# Altium PCB Kasli-DIOT.PCBDOC (part 15 of 21)
Units mm, origin at the board's own origin, x right, y up, seen from the top; angles counter-clockwise.
Board outline 222.34 x 100 mm, 10 copper layers (TopLayer, Layer 2, Layer 3, Layer 4, Layer 5, Layer 6, Layer 7, layer 8, Layer 9, BottomLayer), stack 1.564 mm thick; 974 components, 908 nets, 4662 pads, 2649 vias.
Unrouted connection lines stored in the file: 17.
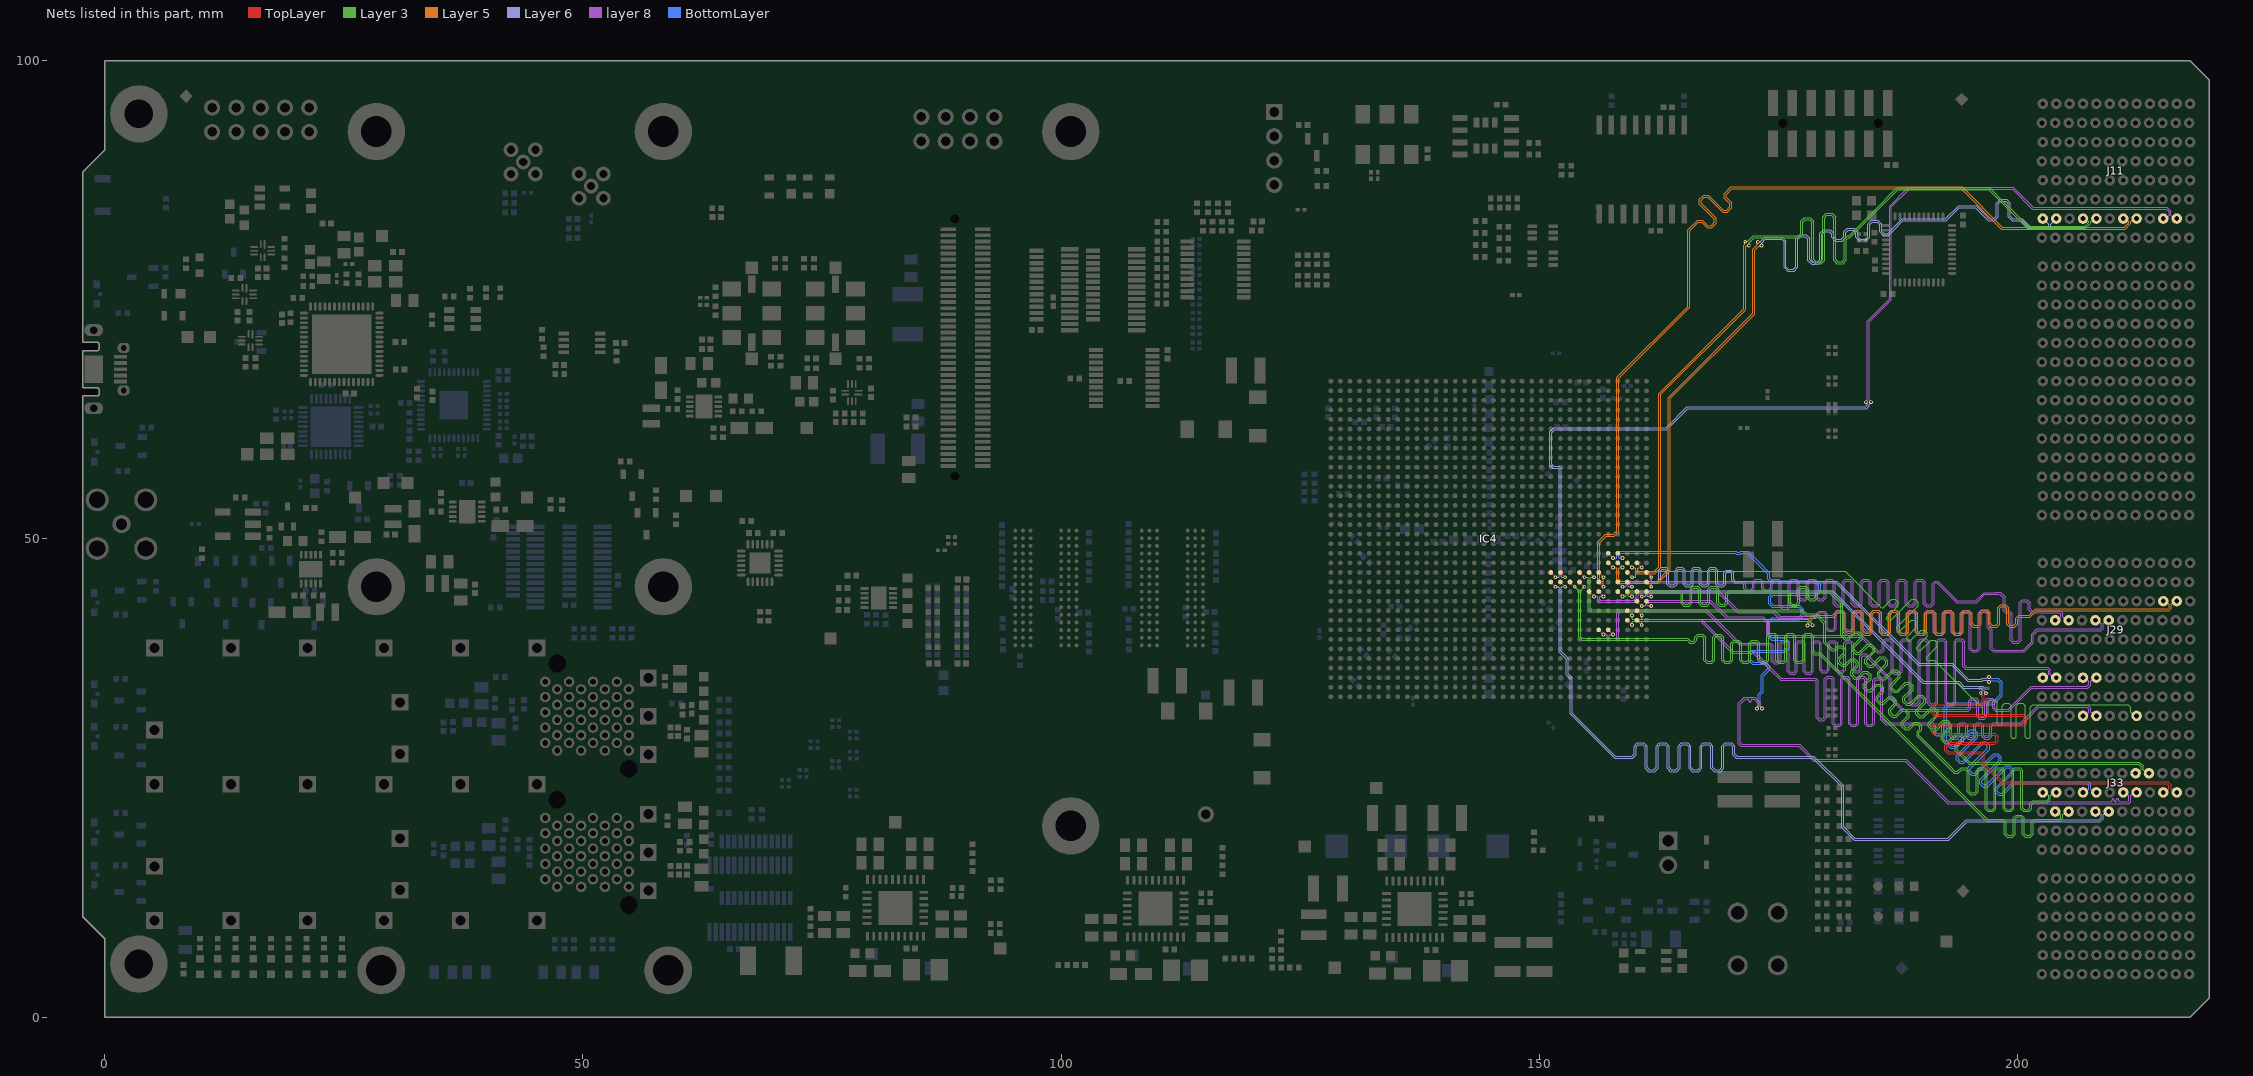
[diagram p23: the nets of this part, all layers, seen from the top]

## Via types
v1: diameter 0.4, hole 0.2, TopLayer to BottomLayer, tented both sides, 1661 vias
v2: diameter 0.5, hole 0.2, TopLayer to BottomLayer, tented both sides, 516 vias
v3: diameter 0.6, hole 0.3, TopLayer to BottomLayer, tented both sides, 175 vias
v4: diameter 0.6, hole 0.3, TopLayer to BottomLayer, 113 vias
v5: diameter 0.5, hole 0.2, TopLayer to BottomLayer, 110 vias
v6: diameter 0.4, hole 0.2, TopLayer to BottomLayer, 67 vias
v7: diameter 0.8, hole 0.5, TopLayer to BottomLayer, tented both sides, 7 vias

## Nets (pads, with @x,y where several pads share a name; then routed paths per layer and width w, separated by ;. In a path a pad name is that pad's centre, name@x,y a point inside that pad or via, vN(x,y) a via of type N, cw(c..) or ccw(c..) an arc to the next point about the centre after c; other vN are vias at no path point) (continued)
SLOT2.LVDS_2_P: IC4.AA32 J33.E8 | length 101.7
  TopLayer w0.095: IC4.AA32@159.2,46.5 v1(159.7,46)
  Layer 3 w0.075: v1(159.7,46) 160.055,46 160.099,46.044 160.099,46.405 160.305,46.611 181.989,46.611 185.717,42.883 185.786,42.814 185.976,42.814 186.868,43.707 187.226,43.707 187.534,43.399 187.534,43.042 186.299,41.807 186.299,41.617 186.489,41.427 186.679,41.427 188.959,43.707 189.316,43.707 189.624,43.399 189.624,43.042 187.344,40.762 187.344,40.572 187.534,40.382 187.724,40.382 188.866,41.524 189.223,41.524 189.531,41.216 189.531,40.859 188.389,39.717 188.389,39.527 188.579,39.337 188.769,39.337 189.911,40.479 190.268,40.479 190.576,40.171 190.576,39.813 189.434,38.672 189.434,38.482 189.624,38.292 189.814,38.292 190.956,39.434 191.313,39.434 191.621,39.126 191.621,38.768 190.479,37.626 190.479,37.437 190.669,37.247 190.859,37.247 190.928,37.315 191.285,37.315 191.362,37.238 191.568,37.032 191.637,36.963 195.47,33.13 195.946,32.654 196.118,32.654 196.37,32.401 196.37,31.739 196.505,31.605 196.773,31.605 196.907,31.739 196.907,32.95 197.16,33.202 197.596,33.202 197.848,32.95 197.848,30.674 197.983,30.539 198.251,30.539 198.385,30.674 198.385,32.577 198.638,32.83 199.074,32.83 199.326,32.577 199.326,29.313 199.461,29.179 199.729,29.179 199.863,29.313 199.863,32.577 200.116,32.83 200.552,32.83 200.804,32.577 200.804,29.313 200.939,29.179 201.207,29.179 201.341,29.313 201.341,32.401 201.594,32.654 201.774,32.654 211.554,32.654 211.84,32.368 211.84,31.861 212.201,31.5 J33.E8@212.439,31.5
SLOT2.LVDS_3_N: IC4.AC29 J29.H5 | length 101.4
  TopLayer w0.095: IC4.AC29@156.2,44.5 v1(156.7,44)
  layer 8 w0.075: v1(156.7,44) 156.345,44 156.301,43.956 156.301,43.685 156.386,43.6 159.891,43.6 160.133,43.843 160.133,44.235 160.501,44.602 168.731,44.602 169.578,43.755 170.283,43.05 170.82,42.513 174.551,42.513 175.063,42 175.137,41.927 178.7,41.927 178.784,41.927 178.797,41.927 178.981,42.111 178.981,42.16 179.284,42.463 179.82,42.463 180.122,42.16 180.122,40.712 180.306,40.528 180.675,40.528 180.859,40.712 180.859,42.248 181.162,42.55 181.698,42.55 182,42.248 182,40.712 182.184,40.528 182.553,40.528 182.737,40.712 182.737,42.248 183.04,42.55 183.576,42.55 183.878,42.248 183.878,40.71 184.062,40.526 184.431,40.526 184.615,40.71 184.615,42.248 184.918,42.55 185.454,42.55 185.756,42.248 185.756,40.336 185.94,40.151 186.309,40.151 186.493,40.336 186.493,42.248 186.796,42.55 187.332,42.55 187.634,42.248 187.634,40.336 187.818,40.151 188.187,40.151 188.371,40.336 188.371,42.248 188.674,42.55 189.21,42.55 189.512,42.248 189.512,40.336 189.696,40.151 190.065,40.151 190.249,40.336 190.249,42.248 190.552,42.55 191.088,42.55 191.39,42.248 191.39,40.336 191.574,40.151 191.943,40.151 192.127,40.336 192.127,42.248 192.43,42.55 192.966,42.55 193.268,42.248 193.268,40.336 193.452,40.151 193.821,40.151 194.005,40.336 194.005,42.248 194.308,42.55 194.844,42.55 195.146,42.248 195.146,38.572 195.33,38.388 195.699,38.388 195.883,38.572 195.883,42.248 196.186,42.55 196.722,42.55 197.024,42.248 197.024,40.784 197.208,40.6 197.327,40.482 197.327,38.63 197.411,38.545 cw(c197.05,37.9) 197.586,38.409 197.608,38.387 200.601,38.387 201.459,39.245 201.459,40.035 202.024,40.6 208.627,40.6 208.738,40.71 208.738,41.139 208.377,41.5 J29.H5@208.139,41.5
SLOT2.LVDS_3_P: IC4.AC28 J29.G5 | length 102
  TopLayer w0.095: IC4.AC28@155.2,44.5 v1(155.7,44)
  layer 8 w0.075: v1(155.7,44) 156.055,44 156.099,43.956 156.099,43.601 156.302,43.398 159.974,43.398 160.336,43.759 160.336,44.151 160.584,44.4 168.647,44.4 169.376,43.671 170.068,42.979 170.736,42.31 174.467,42.31 175.053,41.725 178.7,41.725 178.881,41.725 179.183,42.027 179.183,42.076 179.367,42.26 179.736,42.26 179.92,42.076 179.92,40.629 180.223,40.326 180.759,40.326 181.061,40.629 181.061,42.164 181.245,42.348 181.614,42.348 181.798,42.164 181.798,40.629 182.101,40.326 182.637,40.326 182.939,40.629 182.939,42.164 183.123,42.348 183.492,42.348 183.676,42.164 183.676,40.626 183.979,40.324 184.515,40.324 184.817,40.626 184.817,42.164 185.001,42.348 185.37,42.348 185.554,42.164 185.554,40.252 185.857,39.949 186.393,39.949 186.695,40.252 186.695,42.164 186.879,42.348 187.248,42.348 187.432,42.164 187.432,40.252 187.735,39.949 188.271,39.949 188.573,40.252 188.573,42.164 188.757,42.348 189.126,42.348 189.31,42.164 189.31,40.252 189.613,39.949 190.149,39.949 190.451,40.252 190.451,42.164 190.635,42.348 191.004,42.348 191.188,42.164 191.188,40.252 191.491,39.949 192.027,39.949 192.329,40.252 192.329,42.164 192.513,42.348 192.882,42.348 193.066,42.164 193.066,40.252 193.369,39.949 193.905,39.949 194.207,40.252 194.207,42.164 194.391,42.348 194.76,42.348 194.944,42.164 194.944,38.489 195.247,38.186 195.783,38.186 196.085,38.489 196.085,42.164 196.269,42.348 196.638,42.348 196.822,42.164 196.822,40.701 197.125,40.398 197.125,38.546 197.29,38.381 cw(c197.05,37.9) 197.441,38.268 197.443,38.266 197.525,38.185 200.685,38.185 201.661,39.161 201.661,39.951 202.108,40.398 208.711,40.398 208.94,40.627 208.94,41.139 209.301,41.5 J29.G5@209.539,41.5
SLOT2.LVDS_4_N: IC4.AB32 J29.K5 | length 101.6
  TopLayer w0.095: IC4.AB32@159.2,45.5 v1(159.7,45)
  layer 8 w0.075: v1(159.7,45) 159.345,45 159.301,45.044 159.301,45.26 159.441,45.4 169.48,45.4 171.165,45.4 171.349,45.216 171.349,44.807 171.652,44.504 172.188,44.504 172.49,44.807 172.49,45.39 172.675,45.574 173.043,45.574 173.227,45.39 173.227,44.807 173.53,44.504 174.066,44.504 174.368,44.807 174.368,45.39 174.553,45.574 174.921,45.574 175.105,45.39 175.105,42.975 175.408,42.673 175.944,42.673 176.246,42.975 176.246,45.39 176.431,45.574 176.799,45.574 176.983,45.39 176.983,43.866 177.286,43.563 177.822,43.563 178.124,43.866 178.124,45.39 178.309,45.574 178.677,45.574 178.861,45.39 178.861,43.84 179.164,43.537 179.7,43.537 180.002,43.84 180.002,45.39 180.187,45.574 180.555,45.574 180.739,45.39 180.739,43.228 181.042,42.925 181.578,42.925 181.88,43.228 181.88,45.39 182.065,45.574 182.433,45.574 182.617,45.39 182.617,43.228 182.92,42.925 183.456,42.925 183.758,43.228 183.758,45.39 183.943,45.574 184.311,45.574 184.495,45.39 184.495,43.228 184.798,42.925 185.334,42.925 185.636,43.228 185.636,45.39 185.821,45.574 186.189,45.574 186.373,45.39 186.373,43.228 186.676,42.925 187.212,42.925 187.514,43.228 187.514,45.39 187.699,45.574 188.067,45.574 188.251,45.39 188.251,43.228 188.554,42.925 189.09,42.925 189.392,43.228 189.392,45.39 189.577,45.574 189.945,45.574 190.129,45.39 190.129,43.228 190.432,42.925 190.968,42.925 191.27,43.228 191.27,45.216 191.455,45.4 191.551,45.4 193.628,43.323 195.707,43.323 196.582,44.198 197.831,44.198 ; 197.831,44.204 198.15,44.204 198.498,43.857 198.498,42.519 198.66,42.357 198.719,42.298 198.887,42.298 ; 198.888,42.299 199.048,42.299 199.232,42.115 199.232,39.42 199.535,39.117 200.071,39.117 200.373,39.42 200.373,43.24 200.557,43.424 200.926,43.424 201.11,43.24 201.11,42.602 201.413,42.299 202.007,42.299 ; 202.008,42.3 202.532,42.3 204.365,42.3 204.538,42.127 204.538,41.861 204.177,41.5 J29.K5@203.939,41.5
SLOT2.LVDS_4_P: IC4.AB31 J29.J5 | length 102.3
  TopLayer w0.095: IC4.AB31@158.2,45.5 v1(158.7,45)
  layer 8 w0.075: v1(158.7,45) 159.055,45 159.099,45.044 159.099,45.344 159.357,45.602 169.48,45.602 171.249,45.602 171.551,45.299 171.551,44.891 171.736,44.706 172.104,44.706 172.288,44.891 172.288,45.473 172.591,45.776 173.127,45.776 173.429,45.473 173.429,44.891 173.614,44.706 173.982,44.706 174.166,44.891 174.166,45.473 174.469,45.776 175.005,45.776 175.307,45.473 175.307,43.059 175.492,42.875 175.86,42.875 176.044,43.059 176.044,45.473 176.347,45.776 176.883,45.776 177.185,45.473 177.185,43.95 177.37,43.766 177.738,43.766 177.922,43.95 177.922,45.473 178.225,45.776 178.761,45.776 179.063,45.473 179.063,43.924 179.248,43.74 179.616,43.74 179.8,43.924 179.8,45.473 180.103,45.776 180.639,45.776 180.941,45.473 180.941,43.312 181.126,43.127 181.494,43.127 181.678,43.312 181.678,45.473 181.981,45.776 182.517,45.776 182.819,45.473 182.819,43.312 183.004,43.127 183.372,43.127 183.556,43.312 183.556,45.473 183.859,45.776 184.395,45.776 184.697,45.473 184.697,43.312 184.882,43.127 185.25,43.127 185.434,43.312 185.434,45.473 185.737,45.776 186.273,45.776 186.575,45.473 186.575,43.312 186.76,43.127 187.128,43.127 187.312,43.312 187.312,45.473 187.615,45.776 188.151,45.776 188.453,45.473 188.453,43.312 188.638,43.127 189.006,43.127 189.19,43.312 189.19,45.473 189.493,45.776 190.029,45.776 190.331,45.473 190.331,43.312 190.516,43.127 190.884,43.127 191.068,43.312 191.068,45.299 191.371,45.602 191.551,45.602 191.635,45.602 193.712,43.525 195.623,43.525 196.498,44.4 197.747,44.4 197.754,44.406 198.234,44.406 198.7,43.94 198.7,43.663 198.7,42.603 198.802,42.5 ; 198.805,42.501 199.132,42.501 199.434,42.199 199.434,39.503 199.618,39.319 199.987,39.319 200.171,39.503 200.171,43.323 200.474,43.626 201.01,43.626 201.312,43.323 201.312,42.685 201.496,42.501 201.924,42.501 ; 201.925,42.502 202.532,42.502 204.449,42.502 204.74,42.211 204.74,41.861 205.101,41.5 J29.J5@205.339,41.5
SLOT2.LVDS_5_N: IC4.AB25 J33.H3 | length 101.8
  TopLayer w0.095: IC4.AB25@152.2,45.5 v1(152.7,45)
  Layer 6 w0.08: v1(152.7,45) 152.35,45 152.304,44.953 152.304,38.25 153.034,37.519 153.034,35.903 153.447,35.489 153.447,31.795 157.942,27.3 159.564,27.3 159.665,27.3 159.9,27.535 159.9,28.351 160.257,28.708 160.9,28.708 161.256,28.351 161.256,26.127 161.492,25.892 161.963,25.892 162.198,26.127 162.198,28.351 162.555,28.708 163.198,28.708 163.554,28.351 163.554,26.127 163.79,25.892 164.261,25.892 164.496,26.127 164.496,28.351 164.853,28.708 165.496,28.708 165.852,28.351 165.852,26.127 166.088,25.892 166.559,25.892 166.794,26.127 166.794,28.351 167.151,28.708 167.794,28.708 168.15,28.351 168.15,26.127 168.386,25.892 168.857,25.892 169.092,26.127 169.092,28.351 169.449,28.708 170.092,28.708 170.448,28.351 170.448,27.535 170.684,27.3 171.774,27.3 178.686,27.3 181.8,24.186 181.8,19.9 183,18.7 192.707,18.7 194.633,20.626 208.522,20.626 208.735,20.839 208.735,21.149 208.384,21.5 J33.H3@208.139,21.5
SLOT2.LVDS_5_P: IC4.AB24 J33.G3 | length 102.5
  TopLayer w0.095: IC4.AB24@151.2,45.5 v1(151.7,45)
  Layer 6 w0.08: v1(151.7,45) 152.05,45 152.097,44.953 152.097,38.164 152.827,37.434 152.827,35.817 153.24,35.404 153.24,31.71 157.857,27.093 159.564,27.093 159.751,27.093 160.107,27.45 160.107,28.265 160.343,28.501 160.814,28.501 161.049,28.265 161.049,26.042 161.406,25.685 162.049,25.685 162.405,26.042 162.405,28.265 162.641,28.501 163.112,28.501 163.347,28.265 163.347,26.042 163.704,25.685 164.347,25.685 164.703,26.042 164.703,28.265 164.939,28.501 165.41,28.501 165.645,28.265 165.645,26.042 166.002,25.685 166.645,25.685 167.001,26.042 167.001,28.265 167.237,28.501 167.708,28.501 167.943,28.265 167.943,26.042 168.3,25.685 168.943,25.685 169.299,26.042 169.299,28.265 169.535,28.501 170.006,28.501 170.241,28.265 170.241,27.45 170.598,27.093 171.774,27.093 178.6,27.093 181.593,24.1 181.593,19.814 182.914,18.493 192.793,18.493 194.719,20.419 208.608,20.419 208.942,20.753 208.942,21.149 209.294,21.5 J33.G3@209.539,21.5
SLOT2.LVDS_6_N: IC4.AB27 J33.K3 | length 102
  TopLayer w0.095: IC4.AB27@154.2,45.5 v1(154.7,45)
  Layer 3 w0.075: v1(154.7,45) 154.3,44.6 154.3,39.8 154.4,39.7 154.5,39.6 165.521,39.6 165.63,39.491 165.81,39.311 166.071,39.311 166.255,39.495 166.255,39.72 166.558,40.023 167.094,40.023 167.396,39.72 167.396,37.393 167.58,37.209 167.949,37.209 168.133,37.393 168.133,39.72 168.436,40.023 168.972,40.023 169.274,39.72 169.274,37.393 169.458,37.209 169.827,37.209 170.011,37.393 170.011,39.105 170.314,39.408 170.85,39.408 171.152,39.105 171.152,37.393 171.336,37.209 171.705,37.209 171.889,37.393 171.889,39.11 172.192,39.412 172.728,39.412 173.03,39.11 173.03,37.393 173.214,37.209 173.583,37.209 173.767,37.393 173.767,39.845 174.07,40.148 174.606,40.148 174.908,39.845 174.908,37.393 175.092,37.209 175.461,37.209 175.645,37.393 175.645,39.845 175.948,40.148 176.484,40.148 176.786,39.845 176.786,37.393 176.97,37.209 177.339,37.209 177.523,37.393 177.523,39.845 177.826,40.148 178.362,40.148 178.664,39.845 178.664,38.301 178.848,38.117 179.393,38.117 187.953,29.557 196.37,21.139 196.81,20.7 197.16,20.7 198.522,20.7 198.825,20.397 198.825,19.19 199.009,19.006 199.377,19.006 199.562,19.19 199.562,20.833 199.864,21.136 200.4,21.136 200.703,20.833 200.703,19.19 200.887,19.006 201.255,19.006 201.44,19.19 201.44,20.397 201.742,20.7 203.801,20.7 204.371,20.7 204.538,20.867 204.538,21.139 204.177,21.5 J33.K3@203.939,21.5
SLOT2.LVDS_6_P: IC4.AB26 J33.J3 | length 102.7
  TopLayer w0.095: IC4.AB26@153.2,45.5 v1(153.7,45)
  Layer 3 w0.075: v1(153.7,45) 154.098,44.602 154.098,39.716 154.298,39.516 154.416,39.398 165.438,39.398 165.63,39.206 165.727,39.109 166.155,39.109 166.457,39.412 166.457,39.637 166.641,39.821 167.01,39.821 167.194,39.637 167.194,37.309 167.497,37.007 168.033,37.007 168.335,37.309 168.335,39.637 168.519,39.821 168.888,39.821 169.072,39.637 169.072,37.309 169.375,37.007 169.911,37.007 170.213,37.309 170.213,39.022 170.397,39.206 170.766,39.206 170.95,39.022 170.95,37.309 171.253,37.007 171.789,37.007 172.091,37.309 172.091,39.026 172.275,39.21 172.644,39.21 172.828,39.026 172.828,37.309 173.131,37.007 173.667,37.007 173.969,37.309 173.969,39.762 174.153,39.946 174.522,39.946 174.706,39.762 174.706,37.309 175.009,37.007 175.545,37.007 175.847,37.309 175.847,39.762 176.031,39.946 176.4,39.946 176.584,39.762 176.584,37.309 176.887,37.007 177.423,37.007 177.725,37.309 177.725,39.762 177.909,39.946 178.278,39.946 178.462,39.762 178.462,38.217 178.765,37.915 179.309,37.915 179.393,37.831 187.751,29.473 196.156,21.068 196.726,20.498 197.16,20.498 198.438,20.498 198.623,20.314 198.623,19.106 198.925,18.804 199.461,18.804 199.764,19.106 199.764,20.75 199.948,20.934 200.316,20.934 200.501,20.75 200.501,19.106 200.803,18.804 201.339,18.804 201.642,19.106 201.642,20.314 201.826,20.498 203.801,20.498 204.455,20.498 204.74,20.783 204.74,21.139 205.101,21.5 J33.J3@205.339,21.5
SLOT2.LVDS_7_N: IC4.AC34 J33.C4 | length 109.2
  TopLayer w0.095: IC4.AC34@161.2,44.5 v1(161.7,44) ; v1(196.141,33.87) 196.141,33.831 196.309,33.662 196.309,33.1 196.309,32.838 196.12,32.649 191.321,32.649 191.001,32.33 191.001,31.767 191.321,31.448 200.561,31.448 200.75,31.259 200.75,30.88 200.561,30.691 191.321,30.691 191.001,30.372 191.001,29.809 191.321,29.49 197.541,29.49 197.73,29.301 197.73,28.922 197.541,28.733 192.695,28.733 192.376,28.414 192.376,27.851 192.695,27.532 196.12,27.532 196.309,27.343 196.309,27.23 196.309,26.477 198.386,24.4 215.614,24.4 215.828,24.186 215.828,23.857 215.471,23.5 J33.C4@215.239,23.5
  Layer 6 w0.08: v1(161.7,44) 161.35,44 161.304,44.047 161.304,44.304 161.4,44.4 180.598,44.4 190.105,34.893 193.807,34.893 194.307,34.393 196.262,34.393 196.318,34.337 196.318,34.077 196.141,33.9 v1(196.141,33.87)
SLOT2.LVDS_7_P: IC4.AC33 J33.B4 | length 109.9
  TopLayer w0.095: IC4.AC33@160.2,44.5 v1(160.7,44) ; v1(196.7,33.867) 196.7,33.828 196.531,33.659 196.531,33.1 196.531,32.746 196.212,32.427 191.413,32.427 191.223,32.238 191.223,31.859 191.413,31.67 200.653,31.67 200.972,31.351 200.972,30.788 200.653,30.469 191.413,30.469 191.223,30.28 191.223,29.901 191.413,29.712 197.633,29.712 197.952,29.393 197.952,28.83 197.633,28.511 192.787,28.511 192.598,28.322 192.598,27.943 192.787,27.754 196.212,27.754 196.531,27.435 196.531,27.23 196.531,26.569 198.478,24.622 215.706,24.622 216.05,24.278 216.05,23.857 216.407,23.5 J33.B4@216.639,23.5
  Layer 6 w0.08: v1(160.7,44) 161.05,44 161.097,44.047 161.097,44.389 161.314,44.607 180.684,44.607 190.191,35.1 193.893,35.1 194.393,34.6 196.348,34.6 196.525,34.423 196.525,34.074 196.7,33.899 v1(196.7,33.867)
SLOT2.LVDS_8_N: IC4.W31 J33.F4 | length 108.1
  TopLayer w0.095: IC4.W31@158.2,48.5 v1(158.7,48)
  layer 8 w0.075: v1(172.742,32.264) 172.742,32.307 172.904,32.47 172.904,32.79 172.443,33.251 172.435,33.259 172.244,33.259 ccw(c172.244,33.147) 172.131,33.147 172.131,33.064 cw(c172.019,33.064) 172.019,32.951 cw(c172.019,33.064) 171.906,33.064 171.906,33.147 ccw(c171.794,33.147) 171.794,33.259 171.531,33.259 171.514,33.259 170.979,32.724 170.979,28.678 171.134,28.523 177.207,28.523 178.76,26.969 188.35,26.969 192.135,23.184 192.795,22.525 198.241,22.525 209.589,22.525 209.776,22.525 ccw(c209.776,22.637) 209.889,22.637 209.889,22.721 cw(c210.001,22.721) 210.001,22.833 cw(c210.001,22.721) 210.114,22.721 210.114,22.638 ccw(c210.226,22.638) 210.226,22.525 ccw(c210.226,22.638) 210.339,22.638 210.339,22.721 cw(c210.451,22.721) 210.451,22.833 cw(c210.451,22.721) 210.564,22.721 210.564,22.637 ccw(c210.676,22.637) 210.676,22.525 210.939,22.525 211.55,22.525 211.638,22.613 211.638,23.151 211.288,23.5 J33.F4@211.039,23.5
  BottomLayer w0.095: v1(158.7,48) 158.367,48 158.311,48.056 158.311,48.377 158.438,48.504 170.49,48.504 170.589,48.405 171.061,48.405 171.16,48.504 171.696,48.504 172.7,47.5 173.878,46.322 173.878,46 173.878,45.796 174.272,45.401 178.922,45.401 179.186,45.137 179.186,44.608 178.922,44.344 174.367,44.344 173.972,43.95 173.972,43.238 174.367,42.843 177.099,42.843 177.364,42.579 177.364,42.05 177.099,41.786 174.272,41.786 173.878,41.392 173.878,41.082 173.878,40.033 173.878,39.829 174.272,39.435 175.622,39.435 175.886,39.17 175.886,38.642 175.622,38.378 172.264,38.378 171.87,37.983 171.87,37.271 172.264,36.877 173.614,36.877 173.878,36.612 173.878,36.417 173.689,36.228 173.2,35.739 173.2,34.089 172.894,33.783 172.894,32.472 172.742,32.319 v1(172.742,32.264)
SLOT2.LVDS_8_P: IC4.W30 J33.E4 | length 108.9
  TopLayer w0.095: IC4.W30@157.2,48.5 v1(157.7,48)
  layer 8 w0.075: v1(173.269,32.264) 173.269,32.307 173.106,32.47 173.106,32.873 172.519,33.461 171.43,33.461 170.777,32.808 170.777,28.594 171.05,28.321 177.123,28.321 178.677,26.767 188.267,26.767 191.921,23.113 192.711,22.323 198.158,22.323 198.241,22.323 211.634,22.323 211.84,22.529 211.84,22.949 211.84,23.151 212.189,23.5 J33.E4@212.439,23.5
  BottomLayer w0.095: v1(157.7,48) 158.033,48 158.089,48.056 158.089,48.469 158.346,48.726 170.582,48.726 170.681,48.627 170.969,48.627 171.068,48.726 171.788,48.726 172.922,47.592 174.1,46.414 174.1,46 174.1,45.887 174.364,45.623 179.014,45.623 179.408,45.229 179.408,44.517 179.014,44.122 174.459,44.122 174.195,43.858 174.195,43.329 174.459,43.065 177.191,43.065 177.586,42.671 177.586,41.959 177.191,41.564 174.364,41.564 174.1,41.3 174.1,41.082 174.1,40.033 174.1,39.921 174.364,39.657 175.714,39.657 176.108,39.262 176.108,38.55 175.714,38.156 172.356,38.156 172.092,37.891 172.092,37.363 172.356,37.099 173.706,37.099 174.1,36.704 174.1,36.325 174.003,36.228 173.422,35.647 173.422,33.997 173.116,33.691 173.116,32.472 173.269,32.319 v1(173.269,32.264)
SLOT2.LVDS_9_N: IC4.AB34 J33.I4 | length 110.3
  TopLayer w0.095: IC4.AB34@161.2,45.5 v1(161.7,45)
  Layer 6 w0.08: v1(161.7,45) 161.7,45.35 161.747,45.396 162.223,45.396 162.41,45.396 162.692,45.678 162.692,46.665 162.852,46.825 163.173,46.825 163.334,46.665 163.334,45.269 163.615,44.987 164.108,44.987 164.39,45.269 164.39,46.665 164.55,46.825 164.871,46.825 165.032,46.665 165.032,45.269 165.313,44.987 165.806,44.987 166.088,45.269 166.088,46.665 166.248,46.825 166.569,46.825 166.73,46.665 166.73,45.269 167.011,44.987 167.504,44.987 167.786,45.269 167.786,46.665 167.946,46.825 168.267,46.825 168.428,46.665 168.428,45.269 168.709,44.987 169.202,44.987 169.484,45.269 169.484,46.365 169.644,46.525 169.965,46.525 170.126,46.365 170.126,45.678 170.407,45.396 171.933,45.396 181.011,45.396 189.607,36.8 193.107,36.8 194.781,35.126 196.305,35.126 196.386,35.208 196.793,35.208 196.953,35.048 v1(197,35.048)
  BottomLayer w0.095: v1(197,35.048) 197.083,35.048 197.235,35.2 197.9,35.2 198.1,35 198.178,34.922 198.178,33.689 197.373,32.884 192.764,32.884 192.356,32.476 192.356,28.764 192.867,28.253 193.012,28.108 193.428,28.108 195.137,29.817 195.369,29.817 195.601,29.584 195.601,29.352 193.569,27.32 193.569,26.904 193.931,26.541 194.347,26.541 196.38,28.574 196.612,28.574 196.844,28.341 196.844,28.109 194.812,26.077 194.812,25.661 195.174,25.298 195.591,25.298 197.623,27.33 197.855,27.33 198.087,27.098 198.087,26.866 196.055,24.834 196.055,24.417 196.417,24.055 196.834,24.055 198.866,26.087 199.098,26.087 199.33,25.855 199.33,25.623 197.665,23.958 197.665,23.541 198.028,23.179 198.444,23.179 199.659,24.395 200.069,24.395 207.284,24.395 207.428,24.251 207.428,23.857 207.071,23.5 J33.I4@206.839,23.5
SLOT2.LVDS_9_P: IC4.AA34 J33.H4 | length 110.7
  TopLayer w0.095: IC4.AA34@161.2,46.5 v1(161.7,46)
  Layer 6 w0.08: v1(161.7,46) 161.7,45.65 161.747,45.603 162.223,45.603 162.324,45.603 162.485,45.764 162.485,46.751 162.766,47.032 163.259,47.032 163.541,46.751 163.541,45.354 163.701,45.194 164.022,45.194 164.183,45.354 164.183,46.751 164.464,47.032 164.957,47.032 165.239,46.751 165.239,45.354 165.399,45.194 165.72,45.194 165.881,45.354 165.881,46.751 166.162,47.032 166.655,47.032 166.937,46.751 166.937,45.354 167.097,45.194 167.418,45.194 167.579,45.354 167.579,46.751 167.86,47.032 168.353,47.032 168.635,46.751 168.635,45.354 168.795,45.194 169.116,45.194 169.277,45.354 169.277,46.451 169.558,46.732 170.051,46.732 170.333,46.451 170.333,45.764 170.493,45.603 171.933,45.603 181.097,45.603 189.693,37.007 193.193,37.007 194.867,35.333 196.219,35.333 196.301,35.415 196.793,35.415 196.953,35.575 v1(197,35.575)
  BottomLayer w0.095: v1(197,35.575) 197.083,35.575 197.235,35.422 197.992,35.422 198.4,35.014 198.4,33.597 197.465,32.662 192.856,32.662 192.578,32.384 192.578,28.856 193.024,28.41 193.104,28.33 193.336,28.33 195.045,30.039 195.461,30.039 195.823,29.676 195.823,29.26 193.791,27.228 193.791,26.996 194.023,26.763 194.255,26.763 196.288,28.796 196.704,28.796 197.066,28.433 197.066,28.017 195.034,25.985 195.034,25.752 195.266,25.52 195.499,25.52 197.531,27.552 197.947,27.552 198.309,27.19 198.309,26.774 196.277,24.742 196.277,24.509 196.509,24.277 196.742,24.277 198.774,26.309 199.19,26.309 199.552,25.947 199.552,25.531 197.887,23.866 197.887,23.633 198.12,23.401 198.352,23.401 199.567,24.617 200.291,24.617 207.376,24.617 207.65,24.343 207.65,23.857 208.007,23.5 J33.H4@208.239,23.5
SLOT2.LVDS_10_N: IC4.AA28 J33.L4 | length 101.4
  TopLayer w0.095: IC4.AA28@155.2,46.5 v1(155.7,46)
  Layer 3 w0.075: v1(155.7,46) 155.345,46 155.301,45.956 155.301,45 155.3,44.999 155.3,42.8 155.498,42.602 177.547,42.602 177.971,42.178 179.018,42.178 179.951,41.245 179.951,39.216 180.584,38.583 180.652,38.515 180.913,38.515 181.211,38.812 181.639,38.812 182.018,38.433 182.018,38.006 181.419,37.407 181.419,37.146 181.68,36.886 181.94,36.886 182.539,37.484 182.967,37.484 183.346,37.106 183.346,36.678 182.747,36.079 182.747,35.818 183.007,35.558 183.268,35.558 183.867,36.156 184.295,36.156 184.674,35.778 184.674,35.35 184.075,34.751 184.075,34.49 184.335,34.23 184.596,34.23 185.195,34.829 185.623,34.829 186.001,34.45 186.001,34.022 185.403,33.423 185.403,33.163 185.663,32.902 185.924,32.902 186.523,33.501 186.951,33.501 187.329,33.122 187.329,32.694 186.731,32.095 186.731,31.835 186.991,31.574 187.252,31.574 187.851,32.173 188.278,32.173 188.657,31.794 188.657,31.366 188.059,30.767 188.059,30.507 188.319,30.246 188.58,30.246 189.178,30.845 189.606,30.845 189.985,30.466 189.985,30.038 189.687,29.74 189.687,29.48 189.726,29.441 189.794,29.373 193.158,26.009 193.241,25.926 193.453,25.714 193.713,25.714 194.085,26.086 194.621,26.086 194.924,25.784 194.924,23.645 195.108,23.461 195.477,23.461 195.661,23.645 195.661,25.78 195.963,26.082 196.499,26.082 196.802,25.78 196.802,21.894 196.986,21.71 197.355,21.71 197.539,21.894 197.539,25.78 197.841,26.082 198.377,26.082 198.68,25.78 198.68,21.894 198.864,21.71 199.233,21.71 199.417,21.894 199.417,25.78 199.719,26.082 200.255,26.082 200.558,25.78 200.558,21.894 200.742,21.71 201.111,21.71 201.295,21.894 201.295,22.315 201.597,22.618 202.403,22.618 203.044,22.618 203.238,22.812 203.238,23.139 202.877,23.5 J33.L4@202.639,23.5
SLOT2.LVDS_10_P: IC4.AA27 J33.K4 | length 102
  TopLayer w0.095: IC4.AA27@154.2,46.5 v1(154.7,46)
  Layer 3 w0.075: v1(154.7,46) 155.055,46 155.099,45.956 155.099,45.083 155.098,45.082 155.098,42.716 155.414,42.4 177.463,42.4 177.887,41.976 178.934,41.976 179.749,41.161 179.749,39.132 180.441,38.44 180.51,38.372 180.569,38.313 180.997,38.313 181.294,38.61 181.555,38.61 181.816,38.35 181.816,38.089 181.217,37.491 181.217,37.063 181.596,36.684 182.024,36.684 182.622,37.282 182.883,37.282 183.144,37.022 183.144,36.761 182.545,36.163 182.545,35.735 182.924,35.356 183.352,35.356 183.95,35.954 184.211,35.954 184.472,35.694 184.472,35.433 183.873,34.835 183.873,34.407 184.252,34.028 184.68,34.028 185.278,34.627 185.539,34.627 185.799,34.366 185.799,34.105 185.201,33.507 185.201,33.079 185.58,32.7 186.008,32.7 186.606,33.299 186.867,33.299 187.127,33.038 187.127,32.777 186.529,32.179 186.529,31.751 186.908,31.372 187.336,31.372 187.934,31.971 188.195,31.971 188.455,31.71 188.455,31.45 187.857,30.851 187.857,30.423 188.236,30.044 188.664,30.044 189.262,30.643 189.523,30.643 189.783,30.382 189.783,30.122 189.485,29.824 189.485,29.396 189.583,29.298 189.651,29.23 193.158,25.724 193.369,25.512 193.797,25.512 194.169,25.884 194.538,25.884 194.722,25.7 194.722,23.561 195.024,23.259 195.56,23.259 195.863,23.561 195.863,25.696 196.047,25.88 196.416,25.88 196.6,25.696 196.6,21.81 196.902,21.508 197.438,21.508 197.741,21.81 197.741,25.696 197.925,25.88 198.294,25.88 198.478,25.696 198.478,21.81 198.78,21.508 199.316,21.508 199.619,21.81 199.619,25.696 199.803,25.88 200.172,25.88 200.356,25.696 200.356,21.81 200.658,21.508 201.194,21.508 201.497,21.81 201.497,22.231 201.681,22.415 202.403,22.415 203.127,22.415 203.44,22.728 203.44,23.139 203.801,23.5 J33.K4@204.039,23.5
SLOT2.LVDS_11_N: IC4.AA25 J11.C2 | length 105.1
  TopLayer w0.095: IC4.AA25@152.2,46.5 v1(152.7,46)
  Layer 6 w0.08: v1(152.7,46) 152.35,46 152.304,46.047 152.304,57.389 152.086,57.607 151.5,57.607 151.3,57.807 151.3,61.119 151.581,61.4 163.325,61.4 165.518,63.593 184.231,63.593 184.507,63.869 184.507,64.093 184.667,64.253 v1(184.667,64.3)
  layer 8 w0.075: v1(184.667,64.3) 184.667,64.344 184.505,64.506 184.505,72.699 186.814,75.009 186.814,84.714 188.651,86.551 199.471,86.551 201.532,84.49 215.535,84.49 215.838,84.187 215.838,83.849 215.488,83.5 J11.C2@215.239,83.5
SLOT2.LVDS_11_P: IC4.AA24 J11.B2 | length 105.8
  TopLayer w0.095: IC4.AA24@151.2,46.5 v1(151.7,46)
  Layer 6 w0.08: v1(151.7,46) 152.05,46 152.097,46.047 152.097,57.303 152,57.4 151.414,57.4 151.093,57.721 151.093,61.205 151.495,61.607 163.239,61.607 165.432,63.8 184.145,63.8 184.3,63.955 184.3,64.093 184.14,64.253 v1(184.14,64.3)
  layer 8 w0.075: v1(184.14,64.3) 184.14,64.344 184.303,64.506 184.303,72.783 186.612,75.092 186.612,84.797 188.568,86.753 199.554,86.753 201.616,84.692 215.619,84.692 216.04,84.271 216.04,83.849 216.389,83.5 J11.B2@216.639,83.5
SLOT2.LVDS_12_N: IC4.AB29 J11.F2 | length 100.7
  TopLayer w0.095: IC4.AB29@156.2,45.5 v1(156.7,45)
  Layer 5 w0.08: v1(156.7,45) 156.7,45.35 156.653,45.396 156.289,45.396 156.093,45.593 156.093,49.693 156.907,50.507 157.726,50.507 158.093,50.874 158.093,66.893 165.493,74.293 165.493,82.286 165.528,82.32 166.544,83.337 167.049,83.337 167.625,82.76 167.958,82.76 168.291,83.093 168.291,83.426 166.719,84.998 166.719,85.503 167.173,85.957 167.678,85.957 169.25,84.385 169.583,84.385 169.916,84.718 169.916,85.051 169.34,85.628 169.34,86.132 169.471,86.264 170.014,86.807 194.193,86.807 198.4,82.6 211.153,82.6 211.635,83.083 211.635,83.149 211.284,83.5 J11.F2@211.039,83.5
SLOT2.LVDS_12_P: IC4.AA29 J11.E2 | length 100.3
  TopLayer w0.095: IC4.AA29@156.2,46.5 v1(156.7,46)
  Layer 5 w0.08: v1(156.7,46) 156.7,45.65 156.653,45.603 156.375,45.603 156.3,45.679 156.3,49.607 156.993,50.3 157.812,50.3 158.3,50.788 158.3,66.807 165.7,74.207 165.7,82.148 165.7,82.2 166.63,83.13 166.963,83.13 167.54,82.553 168.044,82.553 168.498,83.007 168.498,83.512 166.926,85.084 166.926,85.417 167.259,85.75 167.592,85.75 169.165,84.178 169.669,84.178 170.123,84.632 170.123,85.137 169.547,85.714 169.547,86.047 169.618,86.118 170.1,86.6 194.107,86.6 198.314,82.393 211.238,82.393 211.842,82.997 211.842,83.149 212.193,83.5 J11.E2@212.439,83.5
SLOT2.LVDS_13_N: IC4.Y33 J11.I2 | length 99.9
  TopLayer w0.095: IC4.Y33@160.2,47.5 v1(160.7,47)
  Layer 3 w0.075: v1(171.527,81.073) 171.558,81.104 171.788,81.104 172.385,81.7 177.012,81.7 177.109,81.7 177.343,81.934 177.343,83.21 177.696,83.562 178.332,83.562 178.684,83.21 178.684,79.226 178.919,78.992 179.387,78.992 179.621,79.226 179.621,83.693 179.974,84.045 180.61,84.045 180.962,83.693 180.962,79.226 181.197,78.992 181.665,78.992 181.899,79.226 181.899,81.347 182.252,81.7 182.378,81.7 184.891,84.213 187.389,86.71 197.09,86.71 198.57,85.23 199.7,84.1 201.1,82.7 207.049,82.7 207.438,83.089 207.438,83.151 207.088,83.5 J11.I2@206.839,83.5
  Layer 5 w0.08: v1(160.7,47) 160.35,47 160.304,46.953 160.304,46.716 160.446,46.574 161.974,46.574 162.493,47.093 162.493,65.193 171.373,74.073 171.373,80.692 171.494,80.813 171.494,81.04 v1(171.527,81.073)
SLOT2.LVDS_13_P: IC4.Y32 J11.H2 | length 100.6
  TopLayer w0.095: IC4.Y32@159.2,47.5 v1(159.7,47)
  Layer 3 w0.075: v1(171.9,80.7) 171.931,80.731 171.931,80.961 172.468,81.498 177.012,81.498 177.193,81.498 177.545,81.851 177.545,83.126 177.78,83.36 178.248,83.36 178.482,83.126 178.482,79.143 178.835,78.79 179.471,78.79 179.823,79.143 179.823,83.609 180.058,83.843 180.526,83.843 180.76,83.609 180.76,79.143 181.113,78.79 181.749,78.79 182.101,79.143 182.101,81.264 182.336,81.498 182.462,81.498 184.891,83.927 187.472,86.508 197.006,86.508 198.368,85.146 199.486,84.029 201.016,82.498 207.133,82.498 207.64,83.005 207.64,83.151 207.989,83.5 J11.H2@208.239,83.5
  Layer 5 w0.08: v1(159.7,47) 160.05,47 160.097,46.953 160.097,46.63 160.36,46.367 162.06,46.367 162.7,47.007 162.7,65.107 171.58,73.987 171.58,80.606 171.641,80.667 171.867,80.667 v1(171.9,80.7)
SLOT2.LVDS_14_N: IC4.Y31 J11.L2 | length 99.7
  TopLayer w0.095: IC4.Y31@158.2,47.5 v1(158.7,47)
  Layer 5 w0.08: v1(158.7,47) 158.35,47 158.304,46.953 158.304,45.796 158.5,45.6 162.307,45.6 163.493,46.786 163.493,64.786 172.293,73.586 172.293,80.286 172.779,80.772 172.779,80.998 v1(172.84,81.06)
  Layer 6 w0.08: v1(172.84,81.06) 172.874,81.093 173.1,81.093 173.208,81.201 173.539,81.532 174.622,81.532 175.404,81.532 175.786,81.15 175.786,78.48 176.046,78.22 176.567,78.22 176.828,78.48 176.828,81.443 177.209,81.824 177.902,81.824 178.284,81.443 178.284,79.182 178.544,78.922 179.065,78.922 179.326,79.182 179.326,81.956 179.707,82.338 180.4,82.338 180.782,81.956 180.782,81.619 181.042,81.359 181.563,81.359 181.824,81.619 181.824,82.116 182.205,82.497 182.898,82.497 183.28,82.116 183.28,81.622 183.54,81.362 184.061,81.362 184.321,81.622 184.321,82.925 184.703,83.306 185.396,83.306 185.777,82.925 185.777,82.194 186.038,81.933 186.406,81.933 187.067,82.593 187.93,83.457 192.432,83.457 193.832,84.857 195.656,84.857 197.013,83.5 197.425,83.5 197.525,83.5 197.786,83.76 197.786,85.126 198.168,85.508 198.86,85.508 199.242,85.126 199.242,83.76 199.502,83.5 200.094,83.5 200.468,83.5 201.37,82.597 203.095,82.597 203.235,82.738 203.235,82.904 J11.L2@202.639,83.5
SLOT2.LVDS_14_P: IC4.Y30 J11.K2 | length 100.4
  TopLayer w0.095: IC4.Y30@157.2,47.5 v1(157.7,47)
  Layer 5 w0.08: v1(157.7,47) 158.05,47 158.097,46.953 158.097,45.711 158.414,45.393 162.393,45.393 163.7,46.7 163.7,64.7 172.5,73.5 172.5,80.2 172.926,80.626 173.152,80.626 v1(173.213,80.687)
  Layer 6 w0.08: v1(173.213,80.687) 173.246,80.72 173.246,80.946 173.294,80.994 173.625,81.325 174.622,81.325 175.318,81.325 175.579,81.065 175.579,78.394 175.96,78.013 176.653,78.013 177.035,78.394 177.035,81.357 177.295,81.617 177.816,81.617 178.077,81.357 178.077,79.097 178.458,78.715 179.151,78.715 179.533,79.097 179.533,81.871 179.793,82.131 180.314,82.131 180.575,81.871 180.575,81.534 180.956,81.152 181.649,81.152 182.031,81.534 182.031,82.03 182.291,82.29 182.812,82.29 183.073,82.03 183.073,81.537 183.454,81.155 184.147,81.155 184.528,81.537 184.528,82.839 184.789,83.099 185.31,83.099 185.57,82.839 185.57,82.108 185.952,81.726 186.492,81.726 187.067,82.301 188.016,83.25 192.518,83.25 193.918,84.65 195.57,84.65 196.927,83.293 197.425,83.293 197.611,83.293 197.993,83.675 197.993,85.041 198.253,85.301 198.774,85.301 199.035,85.041 199.035,83.675 199.417,83.293 200.094,83.293 200.382,83.293 201.285,82.39 203.181,82.39 203.442,82.652 203.442,82.904 J11.K2@204.039,83.5
SLOT2.LVDS_15_N: IC4.AC32 J33.E5 | length 103.5
  TopLayer w0.095: IC4.AC32@159.2,44.5 v1(159.7,44)
  Layer 3 w0.075: v1(159.7,44) 159.345,44 159.301,44.044 159.301,44.248 159.453,44.4 161.547,44.4 164.626,44.4 164.81,44.216 164.81,43.28 165.113,42.977 165.649,42.977 165.951,43.28 165.951,44.672 166.135,44.856 166.504,44.856 166.688,44.672 166.688,43.28 166.991,42.977 167.527,42.977 167.829,43.28 167.829,44.672 168.013,44.856 168.382,44.856 168.566,44.672 168.566,43.28 168.869,42.977 169.405,42.977 169.707,43.28 169.707,44.216 169.891,44.4 175.894,44.4 176.078,44.216 176.078,43.28 176.381,42.977 176.917,42.977 177.219,43.28 177.219,44.672 177.403,44.856 177.772,44.856 177.956,44.672 177.956,43.866 178.259,43.563 178.795,43.563 179.097,43.866 179.097,44.216 179.281,44.4 179.378,44.4 180.314,44.4 181.51,43.205 181.51,39.868 181.804,39.574 181.931,39.446 182.359,39.446 183.034,40.121 183.294,40.121 183.555,39.86 183.555,39.6 182.698,38.742 182.698,38.315 183.077,37.936 183.505,37.936 184.362,38.793 184.622,38.793 184.883,38.532 184.883,38.272 184.026,37.415 184.026,36.987 184.405,36.608 184.833,36.608 185.69,37.465 185.95,37.465 186.211,37.204 186.211,36.944 185.354,36.087 185.354,35.659 185.733,35.28 186.16,35.28 187.018,36.137 187.278,36.137 187.539,35.876 187.539,35.616 186.682,34.759 186.682,34.331 187.06,33.952 187.488,33.952 188.346,34.809 188.606,34.809 188.867,34.549 188.867,34.288 188.01,33.431 188.01,33.003 188.388,32.624 188.816,32.624 189.674,33.481 189.934,33.481 190.195,33.221 190.195,32.96 189.337,32.103 189.337,31.675 189.716,31.296 190.144,31.296 191.002,32.153 191.262,32.153 191.523,31.893 191.523,31.632 190.665,30.775 190.665,30.347 191.044,29.968 191.472,29.968 192.329,30.825 192.59,30.825 192.851,30.565 192.851,30.304 191.993,29.447 191.993,29.019 192.372,28.64 192.8,28.64 193.657,29.497 193.918,29.497 194.179,29.237 194.179,28.976 193.504,28.302 193.504,27.874 193.789,27.589 194.921,26.457 212.662,26.457 212.938,26.181 212.938,25.861 212.577,25.5 J33.E5@212.339,25.5
SLOT2.LVDS_15_P: IC4.AC31 J33.D5 | length 104.1
  TopLayer w0.095: IC4.AC31@158.2,44.5 v1(158.7,44)
  Layer 3 w0.075: v1(158.7,44) 159.055,44 159.099,44.044 159.099,44.332 159.369,44.602 161.547,44.602 164.71,44.602 165.012,44.299 165.012,43.363 165.196,43.179 165.565,43.179 165.749,43.363 165.749,44.756 166.052,45.058 166.588,45.058 166.89,44.756 166.89,43.363 167.074,43.179 167.443,43.179 167.627,43.363 167.627,44.756 167.93,45.058 168.466,45.058 168.768,44.756 168.768,43.363 168.952,43.179 169.321,43.179 169.505,43.363 169.505,44.299 169.808,44.602 175.978,44.602 176.28,44.299 176.28,43.363 176.464,43.179 176.833,43.179 177.017,43.363 177.017,44.756 177.32,45.058 177.856,45.058 178.158,44.756 178.158,43.95 178.342,43.766 178.711,43.766 178.895,43.95 178.895,44.299 179.198,44.602 179.378,44.602 180.398,44.602 181.712,43.288 181.712,39.952 181.947,39.717 182.006,39.658 182.015,39.648 182.276,39.648 182.95,40.323 183.378,40.323 183.757,39.944 183.757,39.516 182.9,38.659 182.9,38.398 183.16,38.138 183.421,38.138 184.278,38.995 184.706,38.995 185.085,38.616 185.085,38.188 184.228,37.331 184.228,37.07 184.488,36.81 184.749,36.81 185.606,37.667 186.034,37.667 186.413,37.288 186.413,36.86 185.556,36.003 185.556,35.742 185.816,35.482 186.077,35.482 186.934,36.339 187.362,36.339 187.741,35.96 187.741,35.532 186.884,34.675 186.884,34.414 187.144,34.154 187.405,34.154 188.262,35.011 188.69,35.011 189.069,34.632 189.069,34.204 188.212,33.347 188.212,33.086 188.472,32.826 188.733,32.826 189.59,33.683 190.018,33.683 190.397,33.304 190.397,32.876 189.539,32.019 189.539,31.759 189.8,31.498 190.061,31.498 190.918,32.355 191.346,32.355 191.725,31.976 191.725,31.548 190.867,30.691 190.867,30.431 191.128,30.17 191.389,30.17 192.246,31.027 192.674,31.027 193.053,30.648 193.053,30.22 192.195,29.363 192.195,29.103 192.456,28.842 192.717,28.842 193.574,29.699 194.002,29.699 194.381,29.32 194.381,28.892 193.706,28.218 193.706,27.957 193.931,27.732 195.004,26.659 212.745,26.659 213.14,26.265 213.14,25.861 213.501,25.5 J33.D5@213.739,25.5
SLOT3.LVDS_0_N: IC4.AG30 J29.I2 | length 98.4
  TopLayer w0.095: IC4.AG30@157.2,40.5 v1(157.7,40)
  layer 8 w0.075: v1(157.7,40) 157.345,40 157.301,39.956 157.301,39.644 157.345,39.6 157.951,39.6 158.1,39.749 158.1,42.201 158.501,42.602 167.482,42.602 169.968,40.116 170.969,39.115 173.675,39.115 174.182,39.115 174.459,38.838 174.459,37.297 174.619,37.138 174.937,37.138 175.096,37.297 175.096,39.096 175.374,39.374 175.86,39.374 176.137,39.096 176.137,36.232 176.297,36.072 176.615,36.072 176.774,36.232 176.774,39.096 177.052,39.374 177.538,39.374 177.815,39.096 177.815,36.232 177.975,36.072 178.293,36.072 178.452,36.232 178.452,39.096 178.73,39.374 179.216,39.374 179.493,39.096 179.493,36.394 179.653,36.235 179.971,36.235 180.13,36.394 180.13,39.096 180.408,39.374 180.894,39.374 181.171,39.096 181.171,36.394 181.331,36.235 181.649,36.235 181.808,36.394 181.808,39.096 182.086,39.374 182.572,39.374 182.849,39.096 182.849,36.394 183.009,36.235 183.327,36.235 183.486,36.394 183.486,37.711 183.764,37.989 184.156,37.989 184.253,37.892 184.743,37.403 186.8,35.345 186.8,33.476 187.806,32.47 188.074,32.203 194.641,32.203 194.738,32.203 194.897,32.362 194.897,33.094 195.175,33.372 195.661,33.372 195.938,33.094 195.938,31.53 196.098,31.371 196.416,31.371 196.575,31.53 196.575,33.052 196.853,33.329 197.339,33.329 197.616,33.052 197.616,32.362 197.776,32.203 198.008,32.203 199.01,32.203 201.407,34.6 207.25,34.6 207.438,34.787 207.438,35.139 207.077,35.5 J29.I2@206.839,35.5
SLOT3.LVDS_0_P: IC4.AG29 J29.H2 | length 99.1
  TopLayer w0.095: IC4.AG29@156.2,40.5 v1(156.7,40)
  layer 8 w0.075: v1(156.7,40) 157.055,40 157.099,39.956 157.099,39.56 157.261,39.398 158.035,39.398 158.302,39.665 158.302,42.117 158.585,42.4 166.314,42.4 167.399,42.4 169.896,39.902 170.885,38.913 173.675,38.913 174.098,38.913 174.257,38.754 174.257,37.214 174.535,36.936 175.021,36.936 175.298,37.214 175.298,39.013 175.458,39.172 175.776,39.172 175.935,39.013 175.935,36.148 176.213,35.87 176.699,35.87 176.976,36.148 176.976,39.013 177.136,39.172 177.454,39.172 177.613,39.013 177.613,36.148 177.891,35.87 178.377,35.87 178.654,36.148 178.654,39.013 178.814,39.172 179.132,39.172 179.291,39.013 179.291,36.31 179.569,36.033 180.055,36.033 180.332,36.31 180.332,39.013 180.492,39.172 180.81,39.172 180.969,39.013 180.969,36.31 181.247,36.033 181.733,36.033 182.01,36.31 182.01,39.013 182.17,39.172 182.488,39.172 182.647,39.013 182.647,36.31 182.925,36.033 183.411,36.033 183.688,36.31 183.688,37.628 183.848,37.787 184.073,37.787 184.253,37.607 184.671,37.188 186.598,35.262 186.598,33.393 187.592,32.399 187.99,32.001 194.641,32.001 194.822,32.001 195.099,32.278 195.099,33.011 195.259,33.17 195.577,33.17 195.736,33.011 195.736,31.446 196.014,31.169 196.5,31.169 196.777,31.446 196.777,32.968 196.937,33.127 197.255,33.127 197.414,32.968 197.414,32.278 197.692,32.001 198.008,32.001 199.094,32.001 201.491,34.398 207.334,34.398 207.64,34.704 207.64,35.139 208.001,35.5 J29.H2@208.239,35.5
SLOT3.LVDS_1_N: IC4.AD34 J29.L2 | length 96.7
  TopLayer w0.095: IC4.AD34@161.2,43.5 v1(161.7,43)
  layer 8 w0.075: v1(161.7,43) 161.345,43 161.301,43.044 161.301,43.356 161.345,43.4 167.114,43.4 167.116,43.398 167.832,43.398 169.586,41.644 173.341,41.644 173.762,41.223 173.762,40.001 174.015,39.749 183.648,39.749 184.805,38.592 184.851,38.546 185.312,38.084 185.74,38.084 186.043,38.387 186.043,39.188 186.227,39.372 186.596,39.372 186.78,39.188 186.78,36.139 187.082,35.837 187.618,35.837 187.921,36.139 187.921,39.188 188.105,39.372 188.474,39.372 188.658,39.188 188.658,32.88 188.96,32.578 189.496,32.578 189.799,32.88 189.799,39.188 189.983,39.372 190.352,39.372 190.536,39.188 190.536,32.88 190.838,32.578 191.374,32.578 191.677,32.88 191.677,39.188 191.861,39.372 192.23,39.372 192.414,39.188 192.414,32.88 192.716,32.578 193.252,32.578 193.555,32.88 193.555,39.188 193.739,39.372 194.108,39.372 194.292,39.188 194.292,36.703 194.594,36.4 195.714,36.4 203.06,36.4 203.238,36.223 203.238,35.861 202.877,35.5 J29.L2@202.639,35.5
SLOT3.LVDS_1_P: IC4.AD33 J29.K2 | length 97.4
  TopLayer w0.095: IC4.AD33@160.2,43.5 v1(160.7,43)
  layer 8 w0.075: v1(160.7,43) 161.055,43 161.099,43.044 161.099,43.44 161.261,43.602 167.198,43.602 167.2,43.6 167.916,43.6 169.669,41.846 173.424,41.846 173.965,41.306 173.965,40.085 174.098,39.951 183.732,39.951 184.805,38.878 184.935,38.748 185.396,38.286 185.657,38.286 185.841,38.471 185.841,39.272 186.143,39.574 186.679,39.574 186.982,39.272 186.982,36.223 187.166,36.039 187.535,36.039 187.719,36.223 187.719,39.272 188.021,39.574 188.557,39.574 188.86,39.272 188.86,32.964 189.044,32.78 189.413,32.78 189.597,32.964 189.597,39.272 189.899,39.574 190.435,39.574 190.738,39.272 190.738,32.964 190.922,32.78 191.291,32.78 191.475,32.964 191.475,39.272 191.777,39.574 192.313,39.574 192.616,39.272 192.616,32.964 192.8,32.78 193.169,32.78 193.353,32.964 193.353,39.272 193.655,39.574 194.191,39.574 194.494,39.272 194.494,36.786 194.678,36.602 195.714,36.602 203.144,36.602 203.44,36.306 203.44,35.861 203.801,35.5 J29.K2@204.039,35.5
SLOT3.LVDS_2_N: IC4.AF33 J33.I8 | length 102.8
  TopLayer w0.095: IC4.AF33@160.2,41.5 v1(160.7,41)
  layer 8 w0.075: v1(160.7,41) 160.7,41.355 160.744,41.399 166.853,41.399 167.917,40.334 170.184,38.068 172.368,38.068 174.036,36.4 175.211,35.225 178.039,35.225 178.81,35.225 178.969,35.066 178.969,31.287 179.247,31.009 179.733,31.009 180.01,31.287 180.01,35.296 180.17,35.456 180.488,35.456 180.647,35.296 180.647,30.67 180.925,30.393 181.411,30.393 181.688,30.67 181.688,35.296 181.848,35.456 182.166,35.456 182.325,35.296 182.325,30.67 182.603,30.393 183.089,30.393 183.366,30.67 183.366,35.296 183.526,35.456 183.844,35.456 184.003,35.296 184.003,30.67 184.281,30.393 184.767,30.393 185.044,30.67 185.044,35.144 185.204,35.303 185.522,35.303 185.681,35.144 185.681,31.074 186.197,30.558 186.978,30.558 190.471,30.558 191.074,30.558 191.234,30.399 191.234,29.703 191.511,29.426 191.997,29.426 192.275,29.703 192.275,30.432 192.434,30.592 192.752,30.592 192.912,30.432 192.912,29.357 193.189,29.08 193.675,29.08 193.953,29.357 193.953,30.432 194.112,30.592 194.43,30.592 194.59,30.432 194.59,29.357 194.867,29.08 195.353,29.08 195.631,29.357 195.631,30.432 195.79,30.592 196.108,30.592 196.268,30.432 196.268,29.357 196.545,29.08 197.031,29.08 197.309,29.357 197.309,30.399 197.468,30.558 197.565,30.558 200.392,30.558 200.902,31.068 202.233,32.4 207.24,32.4 207.438,32.203 207.438,31.861 207.077,31.5 J33.I8@206.839,31.5
SLOT3.LVDS_2_P: IC4.AE33 J33.H8 | length 103.1
  TopLayer w0.095: IC4.AE33@160.2,42.5 v1(160.7,42)
  layer 8 w0.075: v1(160.7,42) 160.7,41.645 160.744,41.601 166.937,41.601 168.203,40.334 170.267,38.27 172.452,38.27 174.036,36.686 175.295,35.427 178.039,35.427 178.894,35.427 179.171,35.15 179.171,31.371 179.331,31.211 179.649,31.211 179.808,31.371 179.808,35.38 180.086,35.658 180.572,35.658 180.849,35.38 180.849,30.754 181.009,30.595 181.327,30.595 181.486,30.754 181.486,35.38 181.764,35.658 182.25,35.658 182.527,35.38 182.527,30.754 182.687,30.595 183.005,30.595 183.164,30.754 183.164,35.38 183.442,35.658 183.928,35.658 184.205,35.38 184.205,30.754 184.365,30.595 184.683,30.595 184.842,30.754 184.842,35.228 185.12,35.505 185.606,35.505 185.883,35.228 185.883,31.157 186.28,30.76 186.978,30.76 190.471,30.76 191.158,30.76 191.436,30.483 191.436,29.787 191.595,29.628 191.913,29.628 192.073,29.787 192.073,30.516 192.35,30.794 192.836,30.794 193.114,30.516 193.114,29.441 193.273,29.282 193.591,29.282 193.751,29.441 193.751,30.516 194.028,30.794 194.514,30.794 194.792,30.516 194.792,29.441 194.951,29.282 195.269,29.282 195.429,29.441 195.429,30.516 195.706,30.794 196.192,30.794 196.47,30.516 196.47,29.441 196.629,29.282 196.947,29.282 197.107,29.441 197.107,30.483 197.384,30.76 197.565,30.76 200.308,30.76 200.759,31.211 202.15,32.602 207.324,32.602 207.64,32.286 207.64,31.861 208.001,31.5 J33.H8@208.239,31.5
SLOT3.LVDS_3_N: IC4.AF32 J29.C6 | length 97.8
  TopLayer w0.095: IC4.AF32@159.2,41.5 v1(159.7,41)
  Layer 3 w0.075: v1(159.7,41) 159.7,41.355 159.744,41.399 177.946,41.399 178.131,41.214 178.131,41.139 178.025,41.033 v1(178.025,40.945)
  Layer 5 w0.08: v1(178.025,40.945) 178.025,40.984 178.193,41.152 178.193,41.586 178.607,42 179.7,42 180.641,42 180.827,42.186 180.827,42.203 181.134,42.509 181.676,42.509 181.983,42.203 181.983,40.31 182.168,40.125 182.539,40.125 182.725,40.31 182.725,42.203 183.032,42.51 183.574,42.51 183.881,42.203 183.881,40.31 184.066,40.125 184.437,40.125 184.623,40.31 184.623,42.259 184.93,42.566 185.472,42.566 185.779,42.259 185.779,40.31 185.964,40.125 186.335,40.125 186.521,40.31 186.521,42.22 186.828,42.527 187.37,42.527 187.677,42.22 187.677,40.31 187.862,40.125 188.233,40.125 188.419,40.31 188.419,42.203 188.726,42.509 189.268,42.509 189.575,42.203 189.575,40.31 189.76,40.125 190.131,40.125 190.317,40.31 190.317,42.203 190.624,42.509 191.166,42.509 191.473,42.203 191.473,40.31 191.658,40.125 192.029,40.125 192.215,40.31 192.215,42.203 192.522,42.509 193.064,42.509 193.371,42.203 193.371,40.31 193.556,40.125 193.927,40.125 194.113,40.31 194.113,42.203 194.42,42.509 194.962,42.509 195.269,42.203 195.269,41.179 195.454,40.994 195.825,40.994 196.011,41.179 196.011,42.283 196.318,42.589 196.86,42.589 197.167,42.283 197.167,41.179 197.352,40.994 197.723,40.994 197.909,41.179 197.909,42.82 198.216,43.127 198.758,43.127 199.065,42.82 199.065,41.179 199.25,40.994 199.621,40.994 199.807,41.179 199.807,41.693 200.114,42 200.3,42 201.2,42 201.9,42.7 215.708,42.7 215.835,42.827 215.835,43.149 215.484,43.5 J29.C6@215.239,43.5
SLOT3.LVDS_3_P: IC4.AE32 J29.B6 | length 98.1
  TopLayer w0.095: IC4.AE32@159.2,42.5 v1(159.7,42)
  Layer 3 w0.075: v1(159.7,42) 159.7,41.645 159.744,41.601 178.03,41.601 178.568,41.063 v1(178.568,40.986)
  Layer 5 w0.08: v1(178.568,40.986) 178.568,41.025 178.4,41.192 178.4,41.5 178.693,41.793 179.7,41.793 180.727,41.793 181.034,42.1 181.034,42.117 181.219,42.302 181.59,42.302 181.776,42.117 181.776,40.225 182.083,39.918 182.625,39.918 182.932,40.225 182.932,42.118 183.117,42.303 183.488,42.303 183.674,42.118 183.674,40.225 183.981,39.918 184.523,39.918 184.83,40.225 184.83,42.173 185.015,42.359 185.386,42.359 185.572,42.173 185.572,40.225 185.879,39.918 186.421,39.918 186.728,40.225 186.728,42.135 186.913,42.32 187.284,42.32 187.47,42.135 187.47,40.225 187.777,39.918 188.319,39.918 188.626,40.225 188.626,42.117 188.811,42.302 189.182,42.302 189.368,42.117 189.368,40.225 189.675,39.918 190.217,39.918 190.524,40.225 190.524,42.117 190.709,42.302 191.08,42.302 191.266,42.117 191.266,40.225 191.573,39.918 192.115,39.918 192.422,40.225 192.422,42.117 192.607,42.302 192.978,42.302 193.164,42.117 193.164,40.225 193.471,39.918 194.013,39.918 194.32,40.225 194.32,42.117 194.505,42.302 194.876,42.302 195.062,42.117 195.062,41.094 195.369,40.787 195.911,40.787 196.218,41.094 196.218,42.197 196.403,42.382 196.774,42.382 196.96,42.197 196.96,41.094 197.267,40.787 197.809,40.787 198.116,41.094 198.116,42.734 198.301,42.92 198.672,42.92 198.858,42.734 198.858,41.094 199.165,40.787 199.707,40.787 200.014,41.094 200.014,41.608 200.199,41.793 200.3,41.793 201.286,41.793 201.986,42.493 215.794,42.493 216.042,42.742 216.042,43.149 216.394,43.5 J29.B6@216.639,43.5